# KiCad board PCB0150.kicad_pcb (continued)
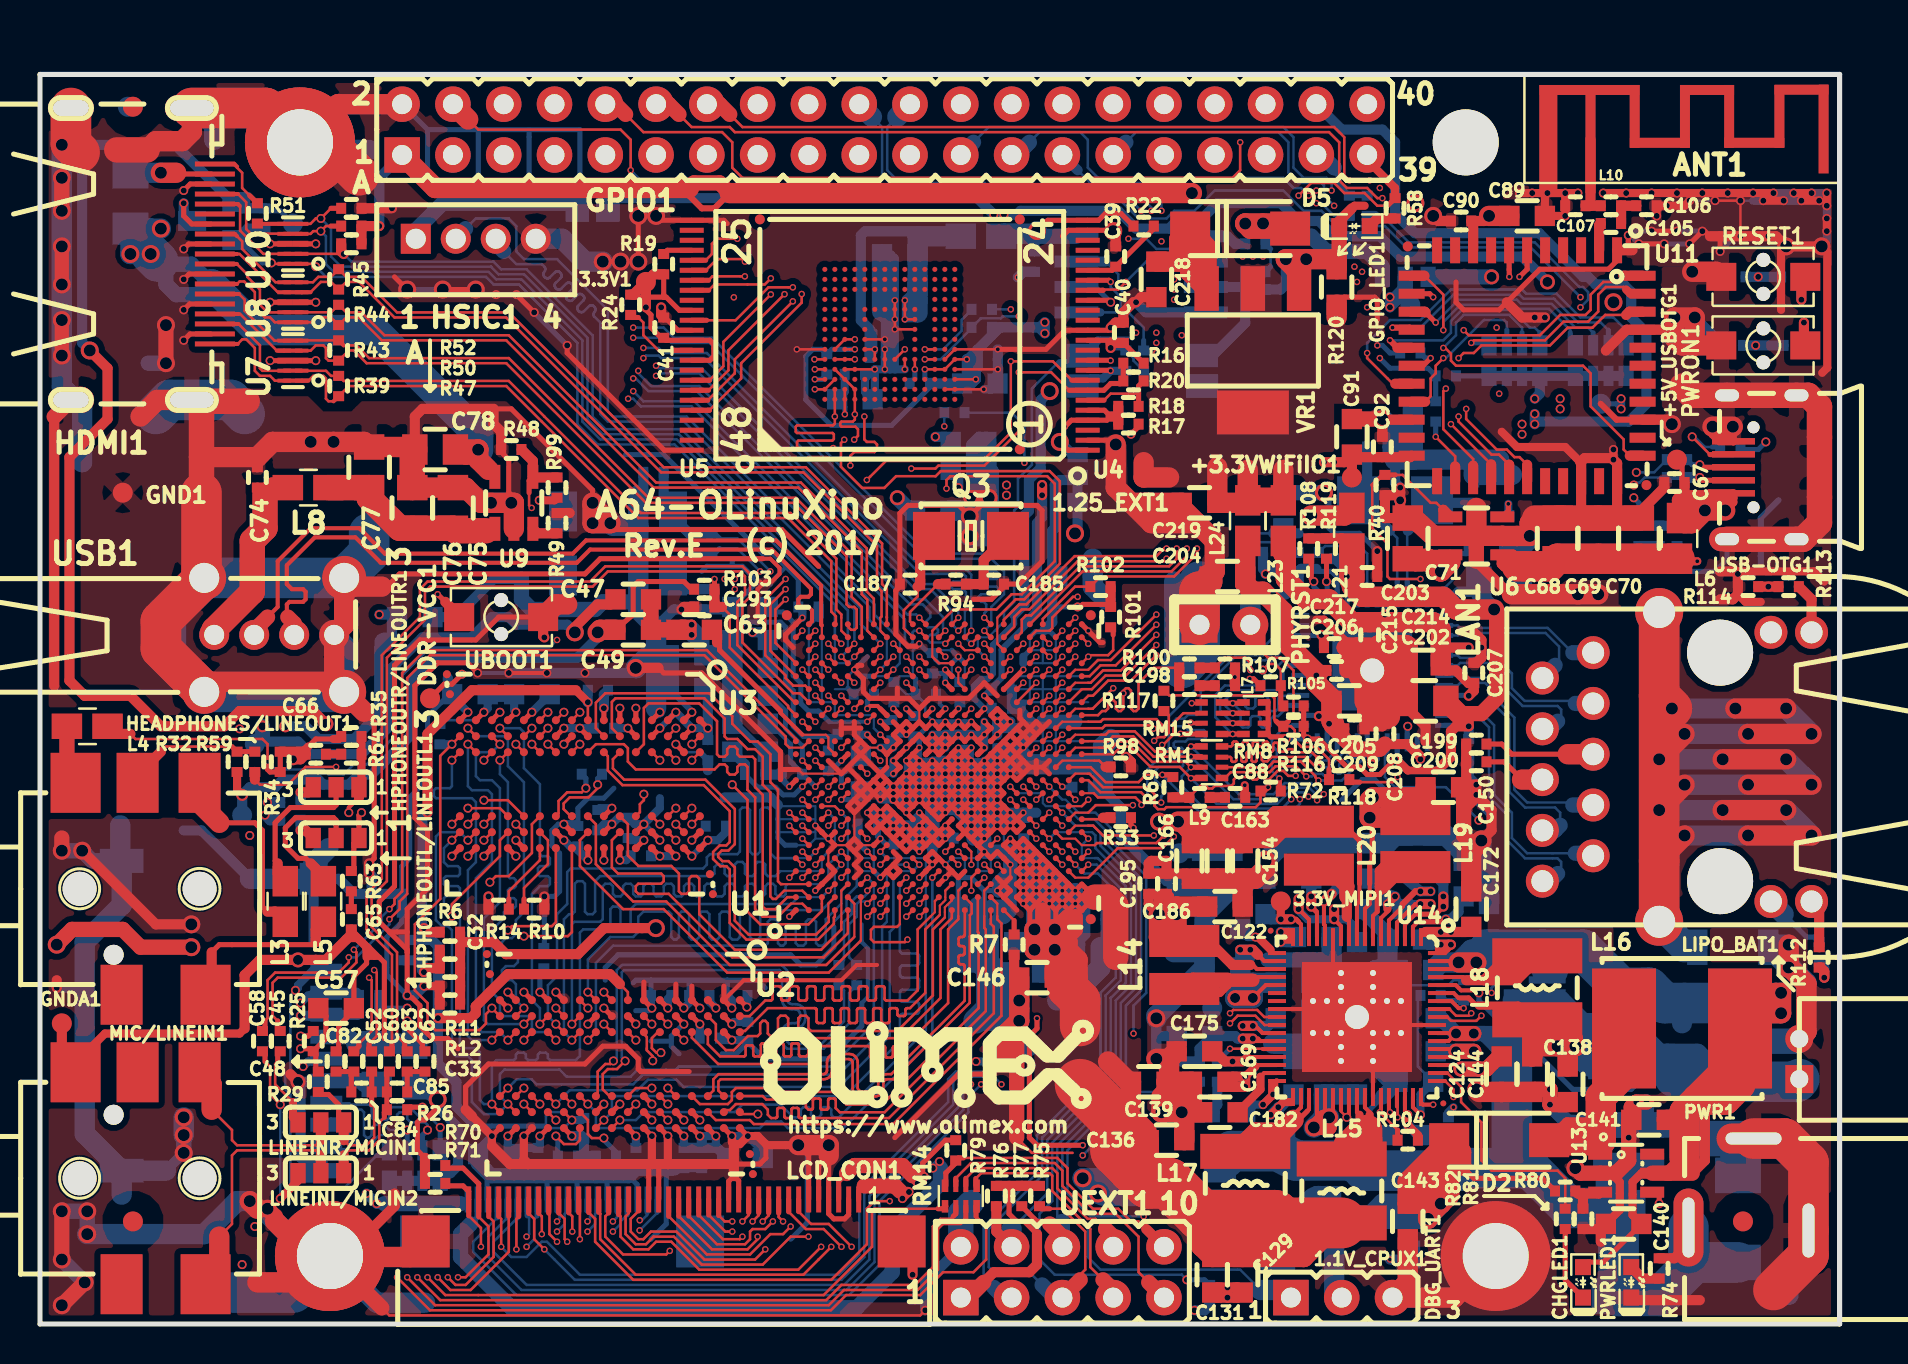
[diagram p0: board, top side]
## Routing (per net, layer and track width the routed paths; a pad name or vN(x,y) marks a point on that pad's centre or on a via; arc(x,y) is an arc through that point) (continued)
  Top w0.508: 63.32,3.48 63.19,3.35 ; 62.69,3.86 63.07,3.48 1.1V_CPUX1.1
  Top w0.762: 50.15,20.7 50.15,19.74 ; 51.27,19.22 51.78,19.72 51.78,20.38 ; 53.8,10.21 54.94,10.21 55.45,9.7 C136.2 ; 51.39,20.38 v2(50.75,19.73)
  Top w1.016: 49.73,19.61 v2(49.73,18.72) v2(50.75,18.72) ; 60.15,5.31 L17.2 58.06,5.44 58.06,3.91 58.12,3.86 ; 51.38,17.32 50.75,17.32 v2(50.75,18.72) ; 51.38,18.72 51.89,18.21 51.89,17.32 51.38,16.81 ; 51.38,18.72 51.38,19.1 51.38,19.1 v2(50.75,19.73) ; 51.38,18.72 v2(50.75,18.72) ; 63.19,3.35 64.9,5.06 L15.2 65.3,5.06 ; 63.19,3.35 62.69,3.86 58.12,3.86 ; 63.19,3.35 C129.2 C131.2 58.12,3.86 ; 54.69,7.8 55.45,8.56 C136.2 ; 53.8,10.21 54.56,10.97 C139.2 54.43,12.12 53.42,13.13 ; v2(50.75,18.72) v2(50.75,19.73) ; v2(50.75,19.73) 50.74,19.74 v2(49.73,19.74)
  Top w1.27: 53.8,18.34 53.8,20.95 53.4,21.35 52.75,21.35
  Top w2.032: 51.38,17.32 51.38,16.81 52.02,16.18 52.02,14.91
  Top w2.54: 52.02,11.99 53.8,10.21 53.8,8.69 55.45,7.04 56.46,7.04 58.06,5.44 L17.2 61.75,5.44 62.13,5.06 L15.2
  In4.Cu w0.406: v4(48.53,24.28) v4(49.18,23.62)
  Bottom w0.254: 49.59,21.03 v4(49.18,21.03) v4(49.18,21.67) v4(49.18,22.33) v4(49.18,22.97) v4(49.18,23.62) 49.82,23.62 v4(51.78,21.67) ; 51.78,18.98 C137.2 ; C130.2 52.16,21.03
  Bottom w0.406: C132.2 49.2,23.92 49.5,23.62
  Bottom w0.508: C137.2 52.27,19.48 C127.2 C130.2 52.27,21.18 v4(51.78,21.67) ; C134.2 C123.2
  Bottom w0.762: C137.2 51.45,19.4 51.78,19.72 v4(51.78,21.67) v4(51.78,21.03) v4(49.82,22.97) U1.W5 49.5,23.62
  Bottom w1.016: v2(50.75,18.72) 49.82,18.72 ; v2(50.75,18.72) 51.51,18.72 C137.2 ; v2(50.75,18.72) v2(50.75,19.73) ; 49.82,18.72 v2(49.73,18.72) ; 49.82,18.72 50.11,18.43 C148.2 ; 49.82,18.72 49.44,19.1 C142.2 ; 49.82,18.72 49.73,18.81 v2(49.73,19.74) ; v2(49.73,19.74) 49.82,19.83 v4(49.82,22.97) ; v2(49.73,19.74) 50.74,19.74 v2(50.75,19.73) ; v2(50.75,19.73) 51.12,20.11 v4(51.12,21.67) ; v2(50.75,19.73) 50.47,20 v4(50.47,22.33)
1.1V_SYS: length 105.9
  Top w0.203: 65.99,22.02 65.99,21.13 65.86,21.01 U14.9
  Top w0.254: L20.2 65.04,25.13 65.99,24.18 65.99,22.02 ; U1.M14 v4(45.28,29.47) U1.N14 ; U1.M14 v4(44.62,28.83) ; U1.M14 v4(45.28,28.83) U1.N14 ; U1.M14 v4(44.62,29.47) U1.L14 ; U1.L14 43.97,29.47 U1.K14 v4(43.32,28.83) U1.J13 v4(42.68,28.17) U1.J12 v4(42.68,27.53) ; U1.L14 v4(44.62,28.83) ; U1.M13 v4(44.62,28.83) ; v4(47.22,30.12) U1.T15 v4(47.22,29.47) U1.R14 ; U1.N14 v4(45.93,29.47) U1.P14 v4(46.57,29.47) U1.R14 ; U1.R14 v4(47.22,28.83)
  Top w0.305: U1.L13 v4(44.62,28.83) ; U1.R13 v4(47.22,28.83) ; U1.M13 v4(45.28,28.83)
  Top w0.508: L20.2 63.43,25.65 61.75,25.65 61.29,25.2
  Top w0.762: C166.2 57.61,24.44 v2(56.92,25.13) v2(55.96,25.13)
  Top w1.016: v2(56.92,25.13) 61.53,25.13 61.65,25.25 ; C154.2 C163.2 C166.2 57.86,24.31 61.54,24.31 62.36,25.13 L20.2 63.86,25.22 61.7,25.22
  In4.Cu w0.107: 43.65,28.5 46.25,28.5 ; 43.65,28.5 v4(43.32,28.83) 42.35,29.8 ; 43.65,28.5 U1.J13 v4(42.68,28.17) 42.35,28.5 ; 46.25,28.5 U1.R13 v4(47.22,28.83) ; 46.25,28.5 U1.P14 ; 47.88,28.5 48.2,28.83 ; 52.1,29.15 50.15,29.15 ; 42.35,29.8 41.7,29.8 ; 42.35,29.8 42.35,30.45 41.7,30.45 ; 41.7,29.8 41.05,29.8 41.05,30.45 ; 41.7,29.8 41.7,28.5 ; 41.7,29.8 41.7,30.45 ; 41.7,30.45 41.05,30.45 ; 43,31.1 41.05,31.1 41.05,30.45 ; 43,31.1 43.65,31.1 ; 43,31.1 43,30.45 ; 42.35,28.5 41.7,28.5 ; 42.35,28.5 42.35,29.15 41.38,29.15 ; 41.7,28.5 41.38,28.5 40.72,27.85 39.75,27.85 39.1,28.5 38.45,28.5 38.45,27.85 ; 49.5,29.15 50.15,29.15 ; 49.5,29.15 48.53,29.15 ; 49.5,29.15 49.5,27.85 ; 50.15,29.15 50.15,27.85 ; 49.5,27.85 49.5,28.17 49.5,27.85 ; 50.15,27.85 50.15,28.17 50.15,27.85 ; 50.8,30.12 50.8,29.8 50.8,30.12 ; 50.8,30.12 50.8,27.85
  In4.Cu w0.508: v4(47.22,28.83) 47.55,28.83 ; v4(42.68,27.53) v4(42.68,28.17)
  In4.Cu w0.711: 47.55,28.83 48.2,28.83 49.5,30.12 51.45,30.12
  In4.Cu w0.762: 49.5,27.85 49.18,27.85 48.2,28.83 ; 51.45,30.12 52.1,29.47 52.1,29.15 52.1,27.85 ; 52.1,27.85 52.1,28.17 52.1,27.85
  In4.Cu w1.016: 53.29,27.48 53.67,27.1
  In4.Cu w1.397: 49.5,27.85 50.8,27.85 52.92,27.85 53.29,27.48
  Bottom w0.254: v4(43.32,28.83) v4(42.68,28.17) ; v4(45.28,28.83) v4(45.28,29.47)
  Bottom w0.406: v4(42.68,28.17) v4(42.68,27.53) 42.59,27.61 C155.2 ; v4(47.22,29.47) v4(46.57,29.47) ; v4(47.22,29.47) v4(47.22,30.12) ; v4(47.22,29.47) v4(47.22,28.83) ; v4(45.28,29.47) v4(44.62,29.47) v4(44.62,28.83) v4(45.28,28.83) 45.18,28.83 C158.2
  Bottom w0.508: v4(45.28,29.47) v4(45.93,29.47) v4(46.57,29.47) ; 1.1V_SYS1.1 57.99,23.55 C160.2 58.12,24.69 57.68,25.13 v2(56.92,25.13)
  Bottom w0.762: v2(56.92,25.13) v2(55.96,25.13)
  Bottom w1.016: C160.2 C168.2
1.2V_HSIC: length 133.9
  Top w0.203: 68.91,20.5 68.78,20.5 68.26,19.98 U14.3
  Top w0.254: 68.91,20.5 69.8,20.5 v3(70.18,20.88) ; U1.K16 v4(43.32,30.78)
  Top w0.508: v3(70.18,21.39) v3(70.18,20.88)
  In2.Cu w0.406: v4(43.32,30.78) 43.32,31.1 44.15,31.93 44.4,31.93 44.72,32.25 44.72,32.44
  In2.Cu w0.508: 44.72,32.5 44.72,32.44 44.72,41.92 45.4,42.6 47.7,42.6 v3(48.34,41.96) v3(48.34,41.45)
  In3.Cu w0.508: v3(70.18,20.88) v3(70.18,21.39) 70.18,22.02 69.93,22.28 69.93,25.83 70.31,26.21 70.31,29.13 69.93,29.52 69.93,35.23 71.96,37.26 74.62,37.26 77.8,40.44 80.09,40.44 80.47,40.82 80.47,43.23 79.96,43.74 79.96,51.23 79.07,52.12 78.18,52.12 77.55,52.76 76.02,52.76 v1(75.39,52.12) ; v3(48.21,55.49) 48.21,54.98 ; v3(48.21,55.49) v3(47.7,55.49) ; v3(48.21,55.49) v3(47.7,55.49) ; v3(47.7,55.49) 48.21,54.98 ; 48.21,54.98 49.61,53.58 49.61,46.02 48.11,44.53 48.11,42.19 v3(48.34,41.96) v3(48.34,41.45)
  Bottom w0.305: v4(43.32,30.78) 43.69,30.41 C197.1
  Bottom w0.508: v3(70.18,20.88) v3(70.18,21.39) 70.18,22.02 69.67,22.53 69.67,22.66 ; HSIC_E1.1 28.78,56.31 46.88,56.31 v3(47.7,55.49) v3(48.21,55.49) 48.84,55.49 49.03,55.68 53.92,55.68 54.81,54.79 56.46,54.79 56.84,55.17 57.99,55.17 58.88,56.06 62.05,56.06 62.94,55.17 63.96,55.17 64.72,54.41 67,54.41 68.02,53.39 74.12,53.39 v1(75.39,52.12)
3.0V_RTC: length 144
  Top w0.203: v3(68.4,10.47) 68.26,10.61 U14.49 ; v4(41.38,30.78) 41.51,30.91 41.89,30.91 42.03,30.78
  Top w0.254: U1.H16 42.03,30.78
  Top w0.406: R104.1 68.91,9.45 v3(68.4,9.96) v3(68.4,10.47)
  In2.Cu w0.107: 38.45,33.7 40.4,33.7 41.16,33.7 ; 38.45,34.35 40.4,34.35 40.99,34.35 41.16,34.17
  In2.Cu w0.203: 38.45,34.35 38.12,34.03 38.45,33.7
  In2.Cu w0.254: 41.16,32.08 41.16,31.64 41.38,31.42 v4(41.38,30.78)
  In2.Cu w0.305: 41.16,34.17 41.16,32.08
  In2.Cu w0.406: 33.38,38.91 34.39,37.91 34.99,37.91 35.38,37.52 35.38,36.37 37.73,34.03 38.12,34.03
  In2.Cu w0.508: v3(16.97,35.48) 19.51,38.02 19.89,38.02 21.41,39.55 25.35,39.55 25.98,38.91 33.38,38.91
  In3.Cu w0.203: 68.4,10.08 v3(68.4,9.96)
  In3.Cu w0.305: 16.97,1.83 17.22,1.58 41.48,1.58 45.35,5.45 45.92,5.45
  In3.Cu w0.406: v3(68.4,10.47) 68.4,10.08
  In3.Cu w0.508: 16.97,1.83 16.97,4.88 15.19,6.66 12.9,6.66 10.24,9.32 10.24,23.55 9.22,24.56 9.22,26.85 v6(12.27,29.9) ; 45.92,5.45 53.61,5.45 55.57,7.42 65.35,7.42 67.39,9.45 67.89,9.45 v3(68.4,9.96)
  Bottom w0.254: C189.2 41.38,31.17 v4(41.38,30.78)
  Bottom w0.406: v3(68.4,9.96) v3(68.4,10.47)
  Bottom w0.508: v6(12.27,29.9) 13.28,29.9 13.92,29.26 15.7,29.26 16.97,30.53 16.97,33.83 3.0V_RTC1.1 17.6,34.47 17.6,35.1 C190.2 17.73,35.48 v3(16.97,35.48) ; R85.2 69.29,9.32 C152.1 68.91,9.45 v3(68.4,9.96)
+1.5V: length 443.9
  Top w0.127: U2.A1 35.01,16.2 ; v3(35.9,10.5) 35.1,10.5 U2.A8
  Top w0.203: 66.5,22.02 66.5,21.01 66.26,20.77 U14.8
  Top w0.254: v2(66.5,25.32) 66.62,25.2 66.62,23.17 66.5,23.04 66.5,22.02 ; 44.62,24.28 U1.L7 ; 44.62,24.28 44.95,23.95 v4(45.28,24.28) ; 44.62,24.28 U1.L6 ; 44.62,24.28 44.95,24.6 ; U1.L7 44.62,24.92 ; U1.L7 v4(43.97,24.28) ; U1.L7 v4(43.97,24.92) ; U1.L6 v4(43.97,23.62) U1.K6 ; U1.L6 v4(43.97,24.28) ; 44.95,24.6 v4(45.28,24.28) ; 44.95,24.6 44.62,24.92 ; 44.95,24.6 v4(45.28,24.92) ; v4(45.28,24.28) U1.N7 v4(45.28,24.92) ; 43.32,24.28 U1.K7 ; 43.32,24.28 43,24.6 ; 43.32,24.28 U1.K6 ; 43.32,24.28 43,23.95 ; U1.K7 v4(43.97,24.92) ; U1.K7 v4(43.32,24.92) ; U1.K7 v4(43.97,24.28) ; 43,24.6 v4(43.32,24.92) ; 43,24.6 v4(42.68,24.92) ; 43,24.6 42.68,24.28 ; v4(43.32,24.92) U1.J8 ; 44.62,24.92 U1.L8 ; v4(42.03,25.58) 42.35,25.9 42.68,25.58 ; v4(42.03,25.58) U1.G9 v4(41.38,25.58) U1.G8 ; v4(42.03,25.58) 42.35,25.25 ; v4(42.03,25.58) U1.G8 ; U1.G8 41.38,24.92 U1.G7 ; U1.G8 42.03,24.92 ; 43,23.95 43.32,23.62 U1.K6 ; 43,23.95 42.68,24.28 ; 42.68,24.28 42.35,24.6 ; 42.35,24.6 42.03,24.92 ; 42.35,24.6 v4(42.68,24.92) ; DDR-VCC1.1 20.22,32 20.6,32 v3(21.1,32.5) ; U1.J8 42.68,25.58 ; U1.J8 v4(42.68,24.92) ; 42.68,25.58 42.35,25.25 ; U1.K6 v4(43.97,24.28) ; U2.N9 v3(25,9.4) ; U1.L8 v4(43.97,25.58) ; U1.L8 v4(43.97,24.92) ; U3.A1 v3(33.4,29.8) ; 42.03,24.92 42.35,25.25 ; U2.H2 v3(29.8,15) ; U3.H2 v3(27,29.8) ; U2.B2 v3(34.6,15) ; U3.F1 v3(29,30.8) ; U2.N1 v3(25,16.6) ; U3.G7 v3(28.6,25.8) ; v3(28.2,11) U2.K8 ; U2.R9 v3(23.4,9.4) ; U3.D9 v3(31,23.4) ; U2.R1 v3(23.4,16.6) ; U2.D2 v3(33,15) ; U3.R1 v3(22.2,30.6) ; U2.H9 v3(29.8,9.4) ; U3.D2 v3(31,29.8) ; U2.K2 v3(27.4,15) ; U2.E9 v3(32.2,9.4) ; v4(45.28,24.92) U1.N8 ; v4(42.68,24.92) 42.35,25.25 ; U3.K2 v3(26.2,29.8) ; U3.C1 v3(31.8,30.6) ; U3.N1 v3(23.8,30.6) ; U3.C9 v3(31.8,23.4) ; U2.D9 v3(33,9.4) ; U3.A8 v3(32.6,24.2) ; U3.K8 v3(26.2,24.2) ; U3.R9 v3(21.4,23.4) ; U2.G7 v3(30.6,11) ; 35.01,16.2 v3(35.35,15.85) ; U3.E9 v3(30.2,24.2) ; v3(33.8,15.8) U2.C1 ; U3.B2 v3(32.6,29.8) ; v3(31.4,15.8) U2.F1 ; U2.C9 v3(33.8,9.4) ; U3.H9 v3(27.4,23.2) ; U3.N9 v3(23.8,23.4)
  Top w0.305: U1.G7 42.03,24.92
  Top w0.508: v3(19.2,17.6) 19.4,17.8 R11.2 C32.2
  Top w1.016: 67.73,26.31 L19.2 ; L19.2 68.71,25.32 v2(66.5,25.32) 66.5,26.18 v2(66.66,26.34) 69.29,26.34 ; L19.2 69.29,25.76 C150.2
  In4.Cu w0.107: 46.25,23.95 46.25,24.28 45.6,24.28 ; 46.25,23.95 46.25,23.3 ; 46.25,23.95 39.75,23.95 ; 46.25,23.3 46.25,21.03 ; 46.25,23.3 46.9,23.3 46.9,22.65 ; 46.25,23.3 44.95,23.3 ; 46.9,22.65 46.9,21.03 ; 46.9,22.65 47.55,22.65 ; 45.6,24.28 U1.N7 U1.L7 ; 45.6,24.28 v4(45.28,24.28) ; 45.6,24.28 45.6,22.65 ; U1.G8 U1.G7 ; U1.G8 39.1,25.25 ; U1.G8 v4(41.38,25.58) 41.05,25.9 39.75,25.9 ; U1.G7 41.7,19.72 ; U1.G7 U1.K7 ; U1.G7 39.1,24.6 ; 39.75,25.9 38.45,25.9 ; 39.75,25.9 39.75,23.95 ; 38.45,25.9 37.8,25.9 ; 38.45,25.9 38.45,22.65 ; 37.8,25.9 37.15,25.9 ; 37.8,25.9 37.8,21.67 ; 38.78,25.25 36.82,25.25 ; 38.78,25.25 39.1,25.25 ; 38.78,25.25 38.78,25.58 ; U1.K7 U1.L7 ; U1.K7 43.65,20.05 ; U1.L7 44.3,23.3 ; 44.3,23.3 44.3,21.35 ; 44.3,23.3 44.95,23.3 ; 44.3,21.35 44.3,20.7 ; 44.3,21.35 41.05,21.35 ; 44.95,23.3 44.95,22 ; 44.95,22 44.95,21.03 ; 44.95,22 42.35,22 ; 39.75,23.3 39.75,20.7 ; 39.75,23.3 39.75,23.95 ; 39.75,23.3 37.15,23.3 ; 39.75,23.3 42.35,23.3 ; 38.45,22.65 38.45,22 ; 38.45,22.65 42.35,22.65 45.6,22.65 ; 38.45,22.65 37.15,22.65 ; 38.45,22 38.45,21.03 ; 38.45,22 39.1,22 ; 42.35,22 42.68,22 ; 42.35,22 39.1,22 ; 45.6,22.65 45.6,19.72 ; 39.75,23.95 37.47,23.95 ; 44.3,20.7 44.3,20.05 ; 44.3,20.7 41.05,20.7 ; 39.1,22 39.1,21.35 ; 39.1,25.25 39.1,24.6 ; 39.1,24.6 36.82,24.6
  In4.Cu w0.127: U2.E9 31,9.8 ; U2.E9 31.8,10.6 ; U2.E9 v3(32.2,9.4) ; 31,9.8 U2.H9 ; 31,9.8 31,11.4 ; 31,9.8 31,9 ; 23,11.4 23,9.8 U2.R9 ; 23,11.4 23,14.6 ; 23,11.4 23.8,11.4 ; U2.N9 24.6,9.8 ; U2.N9 26.2,9.8 ; U2.N9 25.4,10.6 ; 24.6,9.8 24.6,17.1 23.8,17.1 23.8,11.4 ; 24.6,9.8 U2.R9 ; 26.2,9.8 27,9.8 ; 26.2,9.8 26.2,17 ; 26.2,9.8 26.2,9 ; 27,9.8 27.8,9.8 ; 27,9.8 27,17.1 ; 27.8,9.8 28.6,9.8 ; 27.8,9.8 27.8,17.2 ; 28.6,9.8 U2.H9 ; 28.6,9.8 28.6,10.6 v3(28.2,11) ; U2.H9 29.4,11.4 ; 25.4,10.6 25.4,11.4 ; 25.4,10.6 32.6,10.6 U2.D9 v3(33,9.4) ; 25.4,11.4 25.4,15.5 ; 25.4,11.4 23.8,11.4 ; 31,11.4 31,12.2 ; 31,11.4 31.9,11.4 ; 23,14.6 23,15.4 ; 23,14.6 31,14.6 ; U2.D2 32.6,16.3 ; U2.D2 v3(33,15) 32.6,14.6 31.8,14.6 ; U2.D2 31.8,15.4 ; 23,15.4 23,16.2 ; 23,15.4 31,15.4 ; 23,16.2 23,16.9 ; 23,16.2 32.4,16.2 ; 31.8,14.6 31,14.6 ; 31.8,14.6 31.8,15.4 ; 31,14.6 31,15.4 ; 31,15.4 31.8,15.4 ; 23.8,11.4 U2.R9 ; 32.2,24.6 32.2,25.4 ; 32.2,24.6 v3(32.6,24.2) ; 32.2,24.6 30.6,24.6 ; 32.2,25.4 32.2,28.6 ; 32.2,25.4 32.8,25.4 ; 32.2,25.4 21.8,25.4 ; U3.C9 31.4,31.3 ; U3.C9 v3(31.8,23.4) ; U3.C9 21,23.8 ; 30.6,24.6 28.6,24.6 ; 30.6,24.6 30.6,25.4 ; 28.6,24.6 20.3,24.6 ; 28.6,24.6 28.6,23 ; 32.2,28.6 U3.B2 ; 32.2,28.6 26.6,28.6 ; 32.2,28.6 32.9,28.6 ; 21.8,25.4 U3.R9 v3(21.4,23.4) ; 21.8,25.4 21,25.4 ; 21,25.4 20.3,25.4 ; 21,25.4 21,23.8 ; 21,23.8 20.2,23.8 ; U3.B2 32.2,30.2 ; U3.B2 21,29.4 ; 32.2,30.2 32.2,31.3 ; 32.2,30.2 26.6,30.2 ; 26.6,30.2 20.7,30.2 ; 26.6,30.2 26.6,28.6 ; 26.6,30.2 26.6,30.8 ; 26.6,28.6 25.8,28.6 ; 25.8,28.6 25,28.6 ; 25.8,28.6 25.8,30.8 ; 25,28.6 24.2,28.6 ; 25,28.6 25,31 ; 24.2,28.6 22.6,28.6 ; 24.2,28.6 24.2,30.2 v3(23.8,30.6) U3.N1 23.4,28.7 ; 22.6,28.6 20.2,28.6 ; 22.6,28.6 22.6,27.8 ; 21,29.4 20.1,29.4 ; 21,29.4 21,28.5
  In4.Cu w0.254: v3(21.1,32.5) 21.1,31.7 v3(22.2,30.6)
  In4.Cu w0.406: v3(46.81,13.13) 46.69,13.13
  In4.Cu w1.016: v2(66.66,26.34) 66.5,26.18 v2(66.5,25.32) 62.31,25.32 61.93,24.94 60.27,24.94
  In4.Cu w2.032: 60.27,24.94 57.73,22.4
  Bottom w0.127: v3(22.2,30.6) U3.R1 21,30.2 20.19,30.2 R1.2
  Bottom w0.254: C18.1 45.67,24.28 v4(45.28,24.28) 45.28,24.6 ; C18.1 45.39,24.6 45.28,24.6 ; C18.1 45.69,24.51 v4(45.28,24.92) 45.28,24.6 ; v4(43.97,24.28) v4(43.97,23.62) 43.71,23.89 C29.1 ; v4(43.97,24.28) 43.76,24.49 43.76,25.36 v4(43.97,25.58) v4(43.97,24.92) ; v4(43.97,24.28) v4(43.97,24.92) ; v4(43.97,24.92) v4(43.32,24.92) ; v4(43.97,24.92) 43.95,24.9 C17.1 ; v3(25,16.6) 25,17.59 C8.1 ; C30.1 33.29,24.89 v3(32.6,24.2)
  Bottom w0.305: 42.68,25.25 42.35,25.58 v4(42.03,25.58) v4(41.38,25.58) ; v3(31.8,30.6) v3(31,29.8)
  Bottom w0.406: v3(31.4,15.8) 31.4,16.26 C4.1 ; v3(33.8,15.8) 33.48,16.12 C3.1 ; v3(35.35,15.85) 35.35,16.41 C2.1 ; v3(33,15) 33,14.31 C12.1 ; C1.1 34.71,15.11 v3(34.6,15) ; v3(25,9.4) 25,8.91 C7.1 24,8.81 C16.1 23.4,8.79 v3(23.4,9.4) ; v3(30.2,24.2) 29.52,24.2 C9.1 ; v3(28.6,25.8) 27.99,25.8 C28.1 ; v3(26.2,24.2) 26.51,23.89 C31.1 26.9,23.7 v3(27.4,23.2) ; C10.1 23.71,30.69 v3(23.8,30.6) ; C26.1 22.39,30.79 v3(22.2,30.6) ; 33.8,8.87 v3(33.8,9.4) v3(33,9.4) 33.1,9.3 ; v3(46.81,13.13) 47.57,13.13 C27.1 ; v3(26.2,29.8) v3(27,29.8) C20.1 ; v3(33.4,29.8) v3(32.6,29.8) v3(31.8,30.6) ; C19.1 30.98,23.42 v3(31,23.4) v3(31.8,23.4) ; C6.1 v3(29.8,9.4) ; v3(32.2,9.4) 32.2,8.82
  Bottom w0.508: v3(19.2,17.6) 19.1,17.7 C11.1 R5.2 ; 32.2,8.82 C14.1 C13.1 ; 33.1,9.3 C13.1 ; C13.1 33.86,8.81 C5.1 33.8,8.87 ; C15.1 v3(33.4,29.8) 33.4,31.62 C21.1 ; C29.1 43.59,24.12 C17.1 43.57,24.92 v4(43.32,24.92) v4(42.68,24.92) 42.68,25.25
  Bottom w0.762: C26.1 C10.1
+1V8: length 204.1
  Top w0.203: 70.56,18.85 70.27,18.55 U14.68 ; v3(70.05,18.97) 69.86,18.78 U14.68 ; 70.43,18.97 70.43,18.72 70.03,18.72 U14.68
  Top w0.254: 70.56,18.85 v3(70.56,18.97) ; U1.E13 v4(40.07,28.17)
  Top w0.508: v3(70.05,18.97) v3(70.56,18.97) ; v2(26.75,34.59) 26.75,34.85 27.89,35.99 28.52,35.99 C47.2
  In3.Cu w0.508: v6(11.12,29.9) 8.46,27.23 8.46,24.18 9.6,23.04 9.6,4.88 10.74,3.73 10.74,2.9 12.96,0.69 42.88,0.69 44.78,2.59 56.84,2.59 57.61,3.35 57.61,5.77 58.05,6.21 66.43,6.21 68.4,8.18 68.91,8.18 71.26,10.53 72.66,10.53 73.48,11.35 73.48,17.7 72.21,18.97 v3(70.56,18.97) v3(70.05,18.97) 69.67,18.97 68.4,20.24 68.4,26.34 68.91,26.85 68.91,27.51 68.4,28.02 68.4,28.88 67.64,29.64 67.64,30.15 68.48,30.99 68.48,37.54 70.61,39.67 71.3,39.67 73.33,41.71 73.99,41.71 77.29,45.01 77.29,47.68 77.67,48.06 77.67,51.61 77.29,51.99 76.78,51.99 76.15,51.36 74.84,51.36 74.45,51.74 73.23,51.74 v1(72.59,52.38)
  In4.Cu w0.254: 37.79,29.13 37.92,29.26 38.99,29.26 v4(40.07,28.17)
  In4.Cu w0.508: 37.79,29.13 37.17,29.13 33.36,32.94 31.57,32.94 30.81,33.71 27.38,33.71 26.75,34.34 v2(26.75,34.59)
  Bottom w0.254: v4(40.07,28.17) 39.57,27.67 C50.2
  Bottom w0.508: v2(26.75,34.59) 26.36,34.98 23.83,34.98 23.44,35.36 22.61,35.36 21.59,34.34 19.13,34.34 17.6,32.82 17.6,30.02 16.08,28.5 13.54,28.5 12.9,29.13 10.87,29.13 +1.8V1.1 ; C170.2 69.42,18.97 v3(70.05,18.97) v3(70.56,18.97)
  Bottom w0.762: +1.8V1.1 11.12,29.39 v6(11.12,29.9) ; v1(72.59,52.38) PWR_PC1.3
+3.0VA: length 136.1
  Top w0.203: 60.37,13.35 U14.31
  Top w0.254: R103.1 32.59,36.75 32.21,37.13 29.92,37.13 29.67,36.88 29.67,35.48 C49.1 ; U1.N16 v4(45.93,30.78) ; U1.G14 v4(41.38,29.47)
  Top w0.406: 60.37,13.35 v3(60.15,13.13) ; v6(10.11,26.47) 9.86,26.72 R32.2
  Top w0.508: v3(60.15,13.13) v3(59.64,13.13) 59.26,13.13 58.75,13.64
  Top w1.016: v2(27.89,34.59) 28.02,34.72 C49.1
  In2.Cu w0.107: 41.7,29.8 42.35,29.8 ; 41.82,28.5 42.22,28.5 42.35,28.62 42.35,29.15 U1.G14 41.7,28.62 41.82,28.5
  In2.Cu w0.254: 41.7,29.8 v4(41.38,29.47) U1.G14 ; 42.35,29.15 42.68,29.47 42.68,29.8 42.35,29.8
  In2.Cu w0.406: v4(45.93,30.78) 45.93,31.1 45.73,31.3 44.4,31.3 43.97,30.88 43.97,30.58 43.52,30.12 43,30.12 42.68,29.8
  In3.Cu w0.508: v6(10.11,26.47) 10.11,25.7 11.25,24.56 11.25,9.83 13.41,7.67 16.46,7.67 21.67,2.46 41.22,2.46 45.1,6.34 48.65,6.34 53.92,11.61 58.12,11.61 v3(59.64,13.13) v3(60.15,13.13)
  In4.Cu w0.254: 39.45,29.47 39.57,29.47 ; 39.45,29.47 v4(41.38,29.47) ; 39.45,29.47 39.28,29.64 37.67,29.64 37.54,29.77
  In4.Cu w0.508: v2(27.89,34.59) 31.06,34.59 31.95,33.71 33.6,33.71 37.54,29.77
  Bottom w0.305: v4(45.93,30.78) 45.93,31.02 C191.2
  Bottom w0.406: v4(41.38,29.47) 40.93,29.47 C46.1
  Bottom w0.508: +3.0VA1.1 v6(10.11,26.47) 10.49,26.85 11.76,26.85 12.14,27.23 13.92,27.23 14.17,26.97 15.44,26.97 15.95,27.48 16.59,27.48 18.62,29.52 18.62,32.18 19.76,33.33 26.87,33.33 27.89,34.34 v2(27.89,34.59)
+3.3VD: length 185.2
  Top w0.203: 62.56,19.61 62.66,19.51 U14.17
  Top w0.254: U1.M16 v4(45.28,30.78)
  Top w0.406: 62.56,19.61 v3(62.05,19.61) v3(62.05,19.1) 62.18,19.23 62.56,19.23
  Top w0.508: v1(14.3,30.02) 13.67,30.66 9.98,30.66 9.22,29.9 6.05,29.9 4.52,31.42 2.23,31.42 1.47,32.18 1.47,43.36 3.38,45.26 3.38,47.8 v2(2.49,48.69)
  In3.Cu w0.508: v3(62.05,19.61) v3(62.05,19.1) 62.05,18.85 60.4,17.2 59.51,17.2 58.88,16.56 58.88,13.39 57.86,12.37 53.67,12.37 48.27,6.97 44.83,6.97 40.96,3.1 22.05,3.1 16.71,8.43 13.67,8.43 12.78,9.32 12.78,11.1 12.01,11.86 12.01,24.56 12.27,24.82 12.27,26.85 14.3,28.88 v1(14.3,30.02)
  In4.Cu w0.107: 40.4,31.75 39.22,31.75 39.1,31.62 39.1,31.1 40.4,31.1 40.4,30.58 40.28,30.45 39.1,30.45
  In4.Cu w0.203: 39.1,30.45 38.78,30.78
  In4.Cu w0.254: 40.4,31.75 40.72,31.42 ; 40.72,31.42 40.72,31.43 ; 40.72,31.42 44.62,31.42 v4(45.28,30.78) ; 40.72,31.42 40.4,31.1 ; 39.1,31.1 38.78,30.78
  In4.Cu w0.406: 38.78,30.78 38.45,30.78 38.4,30.83
  In4.Cu w0.508: 38.4,30.83 37.5,30.83 33.35,34.98 33.35,35.48 32.46,36.37 25.09,36.37 24.08,35.36 22.68,35.36 21.41,34.09 18.49,34.09 17.22,32.82 17.22,31.17 16.08,30.02 v1(14.3,30.02)
  Bottom w0.203: C79.2 45,31.31 45,31 45.22,30.78 v4(45.28,30.78)
  Bottom w0.254: +3.3VD1.1 12.01,55.68 11.38,55.68 R46.1
  Bottom w0.406: C161.2 62.56,19.61
  Bottom w0.508: R46.1 10.13,55.8 FET1.1 9.62,56.12 6.76,58.98 2.74,58.98 2.11,58.34 2.11,49.07 v2(2.49,48.69) ; 62.56,19.61 v3(62.05,19.61) v3(62.05,19.1) 62.56,19.1 C161.2
+3.3VWiFiIO: length 91.6
  Top w0.203: v3(64.21,21.13) 64.21,19.99 64.26,19.94 U14.13
  Top w0.254: U1.T17 v4(47.22,31.42)
  Top w0.508: v3(50.11,41.45) v3(50.11,41.96) ; v3(64.21,43.1) v3(64.72,43.1) 65.23,43.1 C91.2 ; U11.22 68.52,43.36 C92.2 65.74,43.36 C91.2 ; +3.3VWiFiIO1.1 C91.2 ; v3(64.21,21.13) v3(64.59,21.51)
  In2.Cu w0.508: 64.59,21.77 v3(64.59,21.51) v3(64.21,21.13) ; 75.39,43.23 75.39,45.9 75.01,46.28 v3(74.75,46.28) 74.45,46.28 73.3,45.14 72.59,45.14 70.56,43.1 v3(64.72,43.1) v3(64.21,43.1) 57.23,43.1 55.96,41.83 50.24,41.83 v3(50.11,41.96) v3(50.11,41.45) ; 73.86,41.83 73.99,41.83
  In2.Cu w0.762: 73.99,41.83 75.39,43.23 ; 73.86,41.83 73.1,41.83 71.32,40.06 69.8,40.06 67.77,38.02 67.77,37.13 66.37,35.74 66.37,34.72 65.23,33.58 65.23,31.55 66.24,30.53
  In2.Cu w1.016: 66.24,30.53 66.24,29.01 65.59,28.36 65.59,25.89 64.59,24.89 64.59,21.77
  Bottom w0.254: R61.2 RM12.4.1
  Bottom w0.305: v4(47.22,31.42) 47.5,31.7 C110.2 47.59,31.82 48.09,32.32 48.09,33.73 49.35,34.99 49.35,35.1
  Bottom w0.508: v3(50.11,41.96) v3(50.11,41.45) 50.11,40.35 49.86,40.06 49.86,35.61 49.35,35.1 ; RM12.1.1 75.01,46.53 v3(74.75,46.28) ; RM12.1.1 RM12.2.1 RM12.3.1 RM12.4.1 ; RM12.1.1 RM9.4.1 RM9.3.1 RM9.2.1 RM9.1.1 ; C165.2 65.1,22.02 v3(64.59,21.51) v3(64.21,21.13)
+3V3: length 370.3
  Top w0.203: U14.20 60.86,17.75 60.66,17.96 60.53,17.96
  Top w0.254: v3(80.97,6.02) 80.97,6.4 80.78,6.59 U13.4 ; v4(47.88,30.12) 47.55,30.45 47.88,30.78 U1.U16 ; v4(47.88,30.12) U1.U15 ; v4(47.88,30.12) U1.U16 ; R79.1 45.29,9.19 44.15,8.05 44.15,7.44 v3(44.22,7.37) ; 40.35,7.54 39.94,7.13 LCD_CON1.3 ; v3(30.3,50.85) 30.3,50.72 30.56,50.47 30.56,49.84 31.06,49.33 C41.1 31.31,49.2 U4.37 33.5,49.2 33.7,49 33.7,48.4 33.5,48.2 U4.39 ; 31.19,51.36 30.43,51.36 30.3,51.23 30.18,51.36 29.67,51.36 R24.1 ; 31.19,51.36 31.19,51.49 31.19,51.36 ; 31.19,51.36 31.32,51.36 31.97,50.7 U4.34 ; 31.19,51.36 R19.2 ; v3(54.56,44.5) 54.94,44.88 R17.2 ; R22.2 54.05,55.55 53.29,55.55 52.94,55.2 U4.24 50.4,55.2 v2(49.86,54.67) ; U1.U15 v4(47.88,29.47) U1.T14 ; U1.U15 v4(48.53,30.12) U1.U16 ; v3(53.54,48.82) 53.54,49.2 53.54,49.2 U4.12 ; U4.1 51.42,43.7 v2(51,44.12) ; 49.86,4.5 49.22,5.13 48.84,5.13 48.46,5.51 48.46,6.91 ; U1.N18 v4(45.28,32.08) ; U1.N19 v4(45.28,32.72) ; C40.1 R16.2 ; 19.25,8.31 18.87,8.69 18.87,10.08 19,10.21 19.25,10.21 19.89,10.85 v2(19.89,11.23) ; U1.L16 v4(44.62,30.78)
  Top w0.406: v3(24.97,41.2) 25.73,41.2 R99.1 ; 43.64,7.29 43.64,7.42 44.17,7.42 v3(44.22,7.37) v3(43.89,7.04) 43.64,7.29
  Top w0.508: 60.53,17.96 59.64,17.96 58.44,19.16 L14.2 ; 49.86,4.5 49.86,2.97 49.48,2.59 47.7,2.59 47.19,2.08 ; 55.83,21.51 C186.2 56.46,21.39 56.46,20.5 v2(56.84,20.5) ; 55.83,21.51 C195.2 55.45,21.01 v2(55.96,20.5) 55.96,21.39 55.83,21.51 ; 3.3V1.1 30.68,52.5 R19.2 ; 3.3V1.1 29.67,51.49 R24.1 ; 3.3V1.1 v3(30.3,50.85) ; U11.9 71.67,55.08 C90.2 72.21,55.17 v2(72.47,55.42) ; C40.1 53.54,49.07 v3(53.54,48.82) ; 19.25,8.31 R70.2 R71.2 ; R75.1 R77.1 R76.1
  Top w0.762: 47.19,2.08 46.43,1.32 UEXT1.1 ; 43.64,7.42 43.13,7.92 40.73,7.92 40.34,7.53 ; v2(7.57,18.85) 5.03,18.85 4.14,19.74 1.6,19.74 v2(0.84,18.97)
  Top w1.016: 56.84,20.88 56.46,20.5 ; 56.84,20.88 56.84,20.87 v2(56.84,20.5) ; 56.84,20.88 C122.2 ; L21.2 65.23,40.44 v2(63.58,40.44) ; v2(56.84,20.5) v2(55.96,20.5) 55.96,19.36 56.15,19.16 L14.2 56.84,19.54 v2(56.84,20.5) ; C89.2 v2(72.47,55.42) ; 60.28,55.05 v2(61.16,55.05) 62.26,55.05 D5.2 60.53,54.78 v2(60.27,55.04) 60.28,55.05
  In4.Cu w0.107: 44.95,30.45 45.6,30.45 ; 44.95,30.45 44.95,29.8 ; 44.95,30.45 v4(44.62,30.78) U1.L16 44.3,29.8 44.95,29.8 ; 45.6,30.45 46.25,30.45 ; 45.6,30.45 45.6,31.1 ; 45.6,30.45 45.6,29.8 ; 46.9,30.45 47.55,30.45 ; 46.9,30.45 46.25,30.45 ; 46.9,30.45 46.9,29.8 ; 46.9,30.45 46.9,31.1 47.55,31.1 ; 46.25,30.45 46.25,29.8 ; 46.25,30.45 46.25,31.1 ; 45.6,29.8 46.25,29.8 ; 45.6,29.8 44.95,29.8 ; 46.25,29.8 46.9,29.8 ; 46.9,29.8 47.55,29.8 ; 45.6,35.65 45.6,33.05 v4(45.28,32.72) ; 46.25,32.08 46.25,35.97 ; 46.25,32.08 46.9,32.08 46.9,32.4 ; 46.25,32.08 v4(45.28,32.08) 43.97,32.08 43.65,32.4 ; 46.9,32.4 46.9,35.97 ; 46.9,32.4 52.1,32.4 ; 48.85,31.1 49.5,31.1 ; 48.85,31.1 48.85,34.67 ; 48.85,31.1 48.53,30.78 ; 49.5,31.1 50.15,31.1 ; 49.5,31.1 49.5,34.67 ; 50.15,31.1 50.8,31.1 ; 50.15,31.1 50.15,35 ; 50.8,31.1 51.45,31.1 ; 50.8,31.1 50.8,35 ; 51.45,31.1 51.78,31.1 52.1,31.42 52.1,31.75 ; 51.45,31.1 51.45,35 ; 52.1,31.75 52.1,32.4 ; 52.1,31.75 47.88,31.75 ; 52.1,32.4 52.1,35 ; 43.65,32.4 40.4,32.4 ; 43.65,32.4 43.65,33.7 ; 43.65,32.4 43.65,31.75 43,31.75 ; 40.4,32.4 39.75,32.4 ; 40.4,32.4 40.4,34.35 ; 38.12,34.03 38.45,33.7 52.75,33.7 ; 43,31.75 42.35,31.75 ; 43,31.75 43,34.67 ; 42.35,31.75 41.38,31.75 ; 42.35,31.75 42.35,34.35 ; 42.35,34.35 42.35,34.67 ; 42.35,34.35 52.75,34.35 ; 39.75,32.4 39.1,32.4 ; 39.75,32.4 39.75,34.35 ; 39.1,32.4 37.8,32.4 ; 39.1,32.4 39.1,34.35 38.45,34.35 38.45,35 37.8,35 ; 52.75,33.05 37.8,33.05
  In4.Cu w0.254: v3(44.22,7.37) v3(43.89,7.04) ; 2.74,50.47 3.25,49.96 3.25,45.52 0.84,43.1 0.84,26.72 3.5,24.05 3.5,21.01 2.74,20.24 2.11,20.24 v2(0.84,18.97) ; v4(45.28,32.08) 44.62,32.72 ; v4(47.88,29.47) 47.55,29.8 v4(47.88,30.12) v4(47.88,29.47) ; v4(47.88,29.47) U1.U15 v4(48.53,30.12) 48.53,30.78
  In4.Cu w0.406: v3(24.97,41.2) 24.97,41.96
  In4.Cu w0.508: 58.12,3.1 57.35,3.1 56.85,2.59 47.32,2.59 47.32,4.75 47.7,5.13 54.31,5.13 ; 43.51,8.43 43.51,8.08 v3(44.22,7.37) ; 16.46,15.04 17.22,15.8 v3(18.36,15.8)
  In4.Cu w0.711: 44.62,32.72 44.62,35.88
  In4.Cu w0.762: 44.62,35.88 44.4,36.1 44.4,38.28 42.88,39.8 v1(42.88,41.33) ; 59.13,19.99 57.35,19.99 56.84,20.5 v2(56.84,20.5) ; v2(7.57,18.85) 7.57,15.55 9.73,13.39 9.73,10.72 10.74,9.7 12.78,9.7 14.94,11.86 19.38,11.86 19.89,11.35 v2(19.89,11.23) ; 0.84,17.96 v2(0.84,18.97)
  In4.Cu w1.016: UEXT1.1 47.32,2.59 ; 59.13,19.99 59.64,20.5 60.53,20.5 62.69,22.66 ; v2(55.96,20.5) v2(56.84,20.5)
  In4.Cu w1.524: 62.69,22.66 66.88,22.66 68.66,24.44
  Bottom w0.127: 61.54,53.77 61.54,52.88 ; R57.2 54.69,48.18 54.69,48.31 R15.2
  Bottom w0.254: v3(86.31,44.12) 85.93,43.74 R37.2 ; 45.28,32.54 v4(45.28,32.72) ; 45.28,32.54 v4(45.28,32.08) ; 45.28,32.54 C73.2 ; R53.2 61.54,53.77 ; R31.2 17.22,15.8 v3(18.36,15.8) ; v3(53.54,48.82) 54.18,48.82 R15.2 ; R56.2 61.54,52.88
  Bottom w0.508: v4(47.88,29.47) 47.88,29.78 C80.1 ; v2(61.16,55.05) 61.29,54.92 R53.2 ; v3(57.73,0.69) 58.24,0.69 R95.2 ; v2(19.89,11.23) 19.89,10.85 20.9,9.83 20.9,7.92 20.52,7.54 20.4,7.54 RM7.1.1 RM7.2.1 RM7.3.1 RM7.4.1 ; R30.2 R31.2 ; 3.3V/VCC-PE:2.8V1.3 51.64,43.48 v2(51,44.12) ; C80.1 47.88,29.83 v4(47.88,30.12) v4(48.53,30.12) ; C80.1 C115.2 ; C81.2 49.73,54.53 49.86,54.66 v2(49.86,54.67)
  Bottom w0.762: v1(42.88,41.33) 43.51,40.69 C116.2 ; L2.1 19.13,11.99 v2(19.89,11.23) ; 67.13,52.88 66.37,53.65 64.34,53.65 63.58,54.41 62.56,54.41 61.92,55.05 v2(61.16,55.05) 60.28,55.05 v2(60.27,55.04) ; PWR_PC1.1 67.13,52.63 ; U12.8 49.97,54.41 49.86,54.52 v2(49.86,54.67)
  Bottom w1.016: L1.1 48.21,54.53 49.73,54.53 49.86,54.66
